# KiCad board heimdall.kicad_pcb (continued)
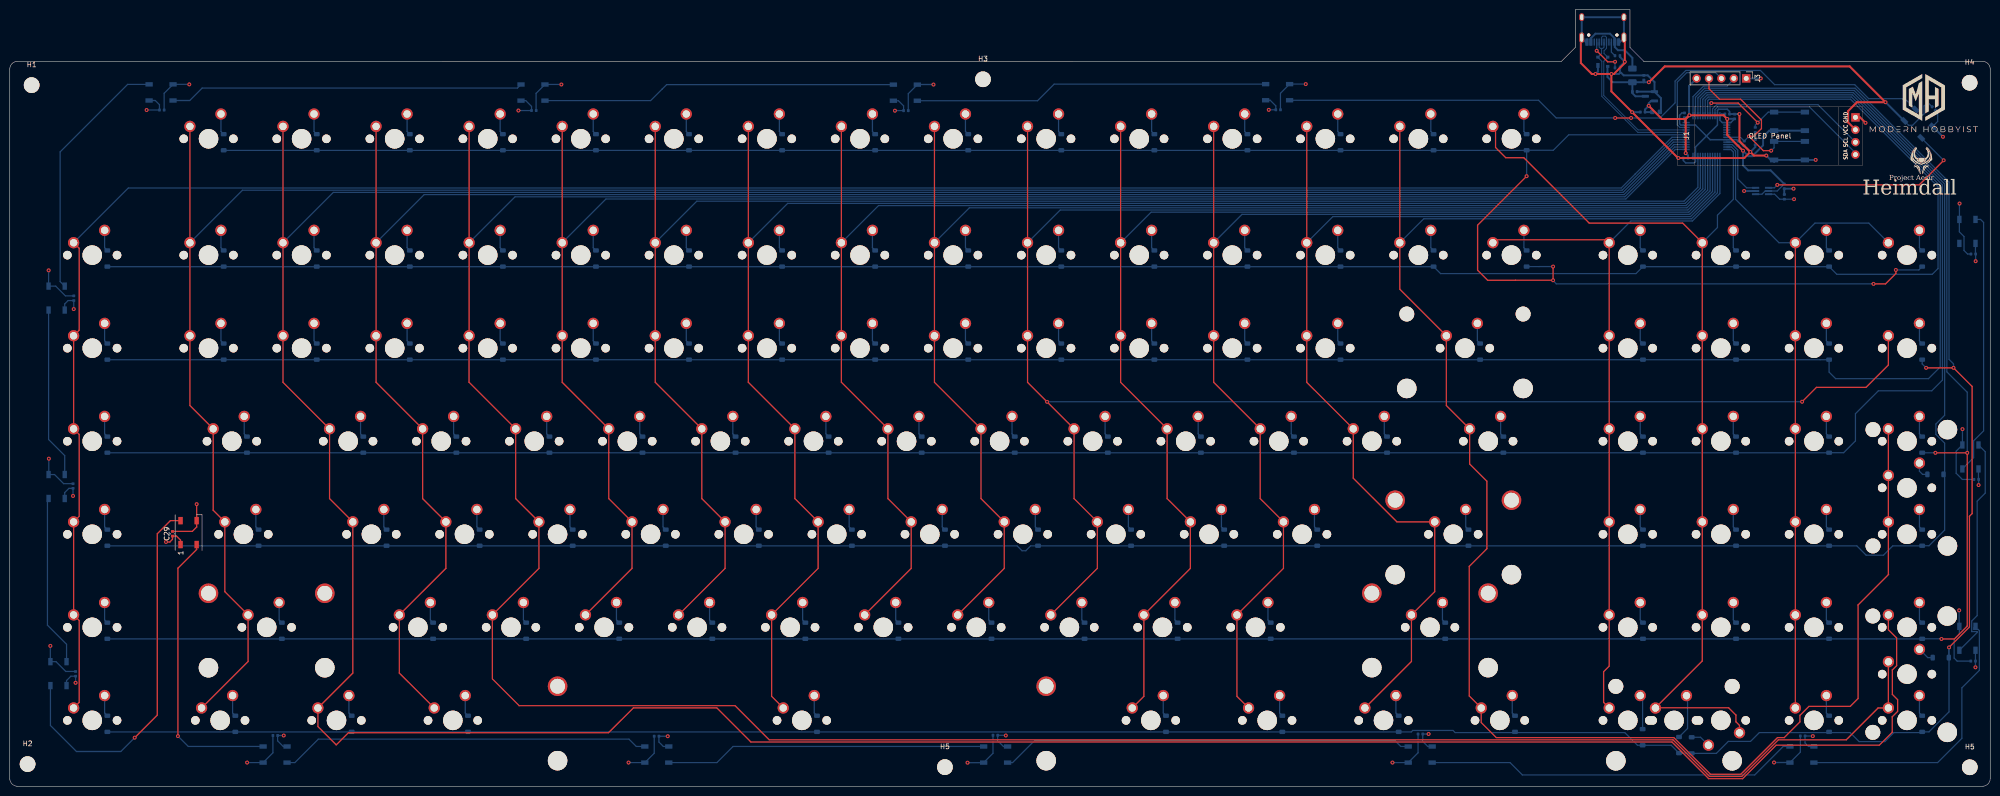
[diagram p0: board, top side]
## Footprints (pads in the part's own frame, mm; a bottom-side part is the same pattern mirrored in y, then rotated) (continued)
  oval 1x1.6 hole 0.6x1.2: S1(-4.32,-1.05) S1(4.32,-1.05)
  oval 1x2.1 hole 0.6x1.7: S1(-4.32,3.13) S1(4.32,3.13)

## Nets
+3V3: BOOT1.1 C2.1 C3.1 C4.1 C5.1 C6.1 C7.1 C10.1 C12.2 J3.5 U1.1 U1.9 U1.24 U1.36 U1.48 U3.2 U4.1 U4.5
+5V: C8.1 C9.1 C11.1 C13.1 C14.1 C15.1 C16.1 C17.1 C18.1 C19.1 C20.1 C21.1 C22.1 C23.1 C24.1 C25.1 C26.1 C27.1 C28.1 C29.1 D120.1 D121.1 D122.1 D123.1 D124.1 D125.1 D126.1 D127.1 D128.1 D129.1 D130.1 D131.1 D132.1 D133.1 D134.1 D135.1 D136.1 F1.2 J1.2 U2.4 U3.3 U4.6
GND: C1.2 C2.2 C3.2 C4.2 C5.2 C6.2 C7.2 C8.2 C9.2 C10.2 C11.2 C12.1 C13.2 C14.2 C15.2 C16.2 C17.2 C18.2 C19.2 C20.2 C21.2 C22.2 C23.2 C24.2 C25.2 C26.2 C27.2 C28.2 C29.2 D120.3 D121.3 D122.3 D123.3 D124.3 D125.3 D126.3 D127.3 D128.3 D129.3 D130.3 D131.3 D132.3 D133.3 D134.3 D135.3 D136.3 J1.1 J2.A1 J2.A12 J2.B1 J2.B12 J2.S1 J3.1 R1.1 R2.2 R4.2 RST1.2 U1.8 U1.23 U1.35 U1.47 U2.1 U3.1 U4.2
VBUS: F1.1 J2.A4 J2.A9 J2.B4 J2.B9
/C13: U1.2
/C14: U1.3
/C15: U1.4
/F0: U1.5
/F1: U1.6
BOOT0: BOOT1.2 R3.1 U1.44
CAPSLOCK: D127.2 D136.4
Col0: MX16.1 MX36.1 MX55.1 MX74.1 MX92.1 MX109.1 U1.30
Col1: MX1.1 MX17.1 MX37.1 MX56.1 MX75.1 MX93.1 MX110.1 U1.29
Col2: MX2.1 MX18.1 MX38.1 MX57.1 MX76.1 MX108.1 MX111.1 U1.28
Col3: MX3.1 MX19.1 MX39.1 MX58.1 MX77.1 MX94.1 MX112.1 U1.27
Col4: MX4.1 MX20.1 MX40.1 MX59.1 MX78.1 MX95.1 MX121.1 MX123.1 U1.26
Col5: MX5.1 MX21.1 MX41.1 MX60.1 MX79.1 MX96.1 U1.25
Col6: MX6.1 MX22.1 MX42.1 MX61.1 MX80.1 MX97.1 U1.22
Col7: MX7.1 MX23.1 MX43.1 MX62.1 MX81.1 MX98.1 MX113.1 U1.21
Col8: MX8.1 MX24.1 MX44.1 MX63.1 MX82.1 MX99.1 U1.20
Col9: MX9.1 MX25.1 MX45.1 MX64.1 MX83.1 MX100.1 U1.19
Col10: MX10.1 MX26.1 MX46.1 MX54.1 MX65.1 MX84.1 MX101.1 U1.18
Col11: MX11.1 MX27.1 MX47.1 MX66.1 MX85.1 MX102.1 MX114.1 U1.17
Col12: MX12.1 MX28.1 MX48.1 MX67.1 MX86.1 MX103.1 MX115.1 U1.16
Col13: MX13.1 MX29.1 MX49.1 MX68.1 MX87.1 MX104.1 MX116.1 U1.15
Col14: MX14.1 MX30.1 MX50.1 MX69.1 MX73.1 MX91.1 MX117.1 MX124.1 U1.14
Col15: MX31.1 MX32.1 MX51.1 MX70.1 MX88.1 MX105.1 MX118.1 U1.13
Col16: MX15.1 MX33.1 MX52.1 MX71.1 MX89.1 MX106.1 MX119.1 MX122.1 U1.12
Col17: MX34.1 MX35.1 MX53.1 MX72.1 MX90.1 MX107.1 MX120.1 U1.11
D+: J2.A6 J2.B6 U1.33 U2.3
D-: J2.A7 J2.B7 U1.32 U2.2
NRST: C1.1 J3.4 RST1.1 U1.7
RGB3.3: U1.10 U4.3
RGB5v: D120.4 U4.4
RGB-data-1: D128.4 D136.2
Row0: D1.1 D2.1 D3.1 D4.1 D5.1 D6.1 D7.1 D8.1 D9.1 D10.1 D11.1 D12.1 D13.1 D14.1 D15.1 D31.1 D35.1 U1.31
Row1: D16.1 D17.1 D18.1 D19.1 D20.1 D21.1 D22.1 D23.1 D24.1 D25.1 D26.1 D27.1 D28.1 D29.1 D30.1 D32.1 D33.1 D34.1 U1.43
Row2: D36.1 D37.1 D38.1 D39.1 D40.1 D41.1 D42.1 D43.1 D44.1 D45.1 D46.1 D47.1 D48.1 D49.1 D50.1 D51.1 D52.1 D53.1 U1.42
Row3: D55.1 D56.1 D57.1 D58.1 D59.1 D60.1 D61.1 D62.1 D63.1 D64.1 D65.1 D66.1 D67.1 D68.1 D69.1 D70.1 D71.1 D72.1 U1.41
Row4: D74.1 D75.1 D76.1 D77.1 D78.1 D79.1 D80.1 D81.1 D82.1 D83.1 D84.1 D85.1 D86.1 D87.1 D88.1 D89.1 D90.1 D91.1 D141.1 U1.40
Row5: D73.1 D92.1 D93.1 D94.1 D95.1 D96.1 D97.1 D98.1 D99.1 D100.1 D101.1 D102.1 D103.1 D104.1 D105.1 D106.1 D107.1 D108.1 U1.39
Row6: D54.1 D109.1 D110.1 D111.1 D112.1 D113.1 D114.1 D115.1 D116.1 D117.1 D118.1 D119.1 D137.1 D138.1 D139.1 D140.1 U1.38
SCL: J1.3 U1.45
SDA: J1.4 U1.46
SWCLK: J3.2 U1.37
SWD: J3.3 U1.34
Net-(D1-A): D1.2 MX1.2
Net-(D2-A): D2.2 MX2.2
Net-(D3-A): D3.2 MX3.2
Net-(D4-A): D4.2 MX4.2
Net-(D5-A): D5.2 MX5.2
Net-(D6-A): D6.2 MX6.2
Net-(D7-A): D7.2 MX7.2
Net-(D8-A): D8.2 MX8.2
Net-(D9-A): D9.2 MX9.2
Net-(D10-A): D10.2 MX10.2
Net-(D11-A): D11.2 MX11.2
Net-(D12-A): D12.2 MX12.2
Net-(D13-A): D13.2 MX13.2
Net-(D14-A): D14.2 MX14.2
Net-(D15-A): D15.2 MX15.2
Net-(D16-A): D16.2 MX16.2
Net-(D17-A): D17.2 MX17.2
Net-(D18-A): D18.2 MX18.2
Net-(D19-A): D19.2 MX19.2
Net-(D20-A): D20.2 MX20.2
Net-(D21-A): D21.2 MX21.2
Net-(D22-A): D22.2 MX22.2
Net-(D23-A): D23.2 MX23.2
Net-(D24-A): D24.2 MX24.2
Net-(D25-A): D25.2 MX25.2
Net-(D26-A): D26.2 MX26.2
Net-(D27-A): D27.2 MX27.2
Net-(D28-A): D28.2 MX28.2
Net-(D29-A): D29.2 MX29.2
Net-(D30-A): D30.2 MX30.2
Net-(D31-A): D31.2 MX31.2
Net-(D32-A): D32.2 MX32.2
Net-(D33-A): D33.2 MX33.2
Net-(D34-A): D34.2 MX34.2
Net-(D35-A): D35.2 MX35.2
Net-(D36-A): D36.2 MX36.2
Net-(D37-A): D37.2 MX37.2
Net-(D38-A): D38.2 MX38.2
Net-(D39-A): D39.2 MX39.2
Net-(D40-A): D40.2 MX40.2
Net-(D41-A): D41.2 MX41.2
Net-(D42-A): D42.2 MX42.2
Net-(D43-A): D43.2 MX43.2
Net-(D44-A): D44.2 MX44.2
Net-(D45-A): D45.2 MX45.2
Net-(D46-A): D46.2 MX46.2
Net-(D47-A): D47.2 MX47.2
Net-(D48-A): D48.2 MX48.2
Net-(D49-A): D49.2 MX49.2
Net-(D50-A): D50.2 MX50.2
Net-(D51-A): D51.2 MX51.2
Net-(D52-A): D52.2 MX52.2
Net-(D53-A): D53.2 MX53.2
Net-(D54-A): D54.2 MX54.2
Net-(D55-A): D55.2 MX55.2
Net-(D56-A): D56.2 MX56.2
Net-(D57-A): D57.2 MX57.2
Net-(D58-A): D58.2 MX58.2
Net-(D59-A): D59.2 MX59.2
Net-(D60-A): D60.2 MX60.2
Net-(D61-A): D61.2 MX61.2
Net-(D62-A): D62.2 MX62.2
Net-(D63-A): D63.2 MX63.2
Net-(D64-A): D64.2 MX64.2
Net-(D65-A): D65.2 MX65.2
Net-(D66-A): D66.2 MX66.2
Net-(D67-A): D67.2 MX67.2
Net-(D68-A): D68.2 MX68.2
Net-(D69-A): D69.2 MX69.2
Net-(D70-A): D70.2 MX70.2
Net-(D71-A): D71.2 MX71.2
Net-(D72-A): D72.2 MX72.2
Net-(D73-A): D73.2 MX73.2
Net-(D74-A): D74.2 MX74.2
Net-(D75-A): D75.2 MX75.2
Net-(D76-A): D76.2 MX76.2
Net-(D77-A): D77.2 MX77.2
Net-(D78-A): D78.2 MX78.2
Net-(D79-A): D79.2 MX79.2
Net-(D80-A): D80.2 MX80.2
Net-(D81-A): D81.2 MX81.2
Net-(D82-A): D82.2 MX82.2
Net-(D83-A): D83.2 MX83.2
Net-(D84-A): D84.2 MX84.2
Net-(D85-A): D85.2 MX85.2
Net-(D86-A): D86.2 MX86.2
Net-(D87-A): D87.2 MX87.2
Net-(D88-A): D88.2 MX88.2
Net-(D89-A): D89.2 MX89.2
Net-(D90-A): D90.2 MX90.2
Net-(D91-A): D91.2 MX91.2
Net-(D92-A): D92.2 MX92.2
Net-(D93-A): D93.2 MX93.2
Net-(D94-A): D94.2 MX94.2
Net-(D95-A): D95.2 MX95.2
Net-(D96-A): D96.2 MX96.2
Net-(D97-A): D97.2 MX97.2
Net-(D98-A): D98.2 MX98.2
Net-(D99-A): D99.2 MX99.2
Net-(D100-A): D100.2 MX100.2
Net-(D101-A): D101.2 MX101.2
Net-(D102-A): D102.2 MX102.2
Net-(D103-A): D103.2 MX103.2
Net-(D104-A): D104.2 MX104.2
Net-(D105-A): D105.2 MX105.2
Net-(D106-A): D106.2 MX106.2
Net-(D107-A): D107.2 MX107.2
Net-(D108-A): D108.2 MX108.2
Net-(D109-A): D109.2 MX109.2
Net-(D110-A): D110.2 MX110.2
Net-(D111-A): D111.2 MX111.2
Net-(D112-A): D112.2 MX112.2
Net-(D113-A): D113.2 MX113.2
Net-(D114-A): D114.2 MX114.2
Net-(D115-A): D115.2 MX115.2
Net-(D116-A): D116.2 MX116.2
Net-(D117-A): D117.2 MX117.2
Net-(D118-A): D118.2 MX118.2
Net-(D119-A): D119.2 MX119.2
Net-(D120-DOUT): D120.2 D121.4
Net-(D121-DOUT): D121.2 D122.4
Net-(D122-DOUT): D122.2 D123.4
Net-(D123-DOUT): D123.2 D124.4
Net-(D124-DOUT): D124.2 D125.4
Net-(D125-DOUT): D125.2 D126.4
Net-(D126-DOUT): D126.2 D127.4
Net-(D128-DOUT): D128.2 D129.4
Net-(D129-DOUT): D129.2 D130.4
Net-(D130-DOUT): D130.2 D131.4
Net-(D131-DOUT): D131.2 D132.4
Net-(D132-DOUT): D132.2 D133.4
Net-(D133-DOUT): D133.2 D134.4
Net-(D134-DOUT): D134.2 D135.4
Net-(D137-A): D137.2 MX120.2
Net-(D138-A): D138.2 MX121.2
Net-(D139-A): D139.2 MX122.2
Net-(D140-A): D140.2 MX123.2
Net-(D141-A): D141.2 MX124.2
Net-(J2-CC1): J2.A5 R1.2
Net-(J2-CC2): J2.B5 R2.1
Net-(R3-Pad2): R3.2 R4.1

Pads without a net: D135 2; J2 A8 B8

## Via types
v1: diameter 0.8, hole 0.4, Top to Bottom, 79 vias

## Routing (per net, layer and track width the routed paths; a pad name or vN(x,y) marks a point on that pad's centre or on a via; arc(x,y) is an arc through that point)
+3V3: length 100
  Top w0.4: v1(343.79,137.36) 350.79,137.36 v1(351.54,136.61) 351.54,133.34 v1(354.78,130.1) ; v1(343.79,137.36) 343.04,136.61 v1(343.04,129.61) ; v1(343.79,137.36) 343.03,136.6 338.18,136.6 v1(335.48,139.3)
  Bottom w0.25: C4.1 344.21,128.61 344.49,128.9 ; C12.2 363.21,123.29 361.77,121.86 U4.5 359.31,121.86 358.66,121.21 U4.1
  Bottom w0.3: U1.36 342.79,136.2 C3.1 ; C6.1 352.27,135.86 U1.1 350.54,135.86 350.04,136.36 U1.48 350.38,137.61 C5.1 ; U1.9 352.79,131.86 353.54,131.12 C7.1
  Bottom w0.4: C6.1 351.56,136.63 v1(351.54,136.61) 351.06,137.09 C5.1 ; 353.78,131.1 v1(354.78,130.1) ; v1(354.78,130.1) 355.89,128.99 356.67,128.99 358.89,131.21 358.89,132.96 360.14,134.21 BOOT1.1 BOOT1.1 ; v1(354.78,130.1) 354.78,127.13 355.82,126.09 360.42,126.09 C12.2 ; C2.1 336.17,138.02 C10.1 334.72,138.55 v1(335.48,139.3) 335.48,139.83 335.94,140.3 U3.2 ; C4.1 343.52,129.13 v1(343.04,129.61) ; C3.1 343.31,136.88 v1(343.79,137.36) 343.73,137.42 343.73,143.37 J3.5
+5V: length 180.9
  Top w0.25: v1(31.98,50) 32.77,50 33.3,50.54 C29.1 34.13,51.21 34.95,50.39 D136.1
  Top w0.4: J1.2 376.29,135.9 376.29,138.23 378.1,140.04 v1(383.94,140.04) 376.61,147.37 338.75,147.37 335.51,144.13 v1(335.5,144.13)
  Bottom w0.25: D124.1 29.77,140.39 30.64,139.52 C17.1 28.02,138.44 v1(28.02,138.43) ; D127.1 11.62,21.64 12.51,22.53 C20.1 13.47,21.18 v1(13.47,21.17) ; D129.1 133.78,8.14 132.87,9.05 C22.1 134.67,10.24 v1(134.68,10.23) ; C13.1 392.8,139.79 392.37,139.79 391.84,139.26 391.84,137.67 389.49,135.32 388.68,135.32 D120.1 ; v1(104.12,138.33) 104.12,138.34 C16.1 106.79,139.19 105.62,140.36 D123.1 ; D125.1 11.24,98.74 11.93,99.43 C18.1 13.09,97.69 v1(13.1,97.68) ; D128.1 55.98,8.14 54.82,9.3 C21.1 56.07,10.39 v1(56.08,10.38) ; v1(203.88,10.39) 203.83,10.44 C23.1 202.21,9.32 203.39,8.14 D130.1 ; v1(369.07,10.26) 369.04,10.29 C25.1 367.47,8.86 368.19,8.14 D132.1 ; v1(402.36,24.34) 402.36,24.35 C26.1 D133.1 ; D126.1 11.24,60.12 12.1,60.98 C19.1 12.94,59.43 v1(12.95,59.42) ; v1(257.71,138.47) 257.72,138.49 C14.1 259.14,139.29 257.99,140.44 D121.1 ; D131.1 290.26,8.14 289.22,9.18 C24.1 290.42,10.69 v1(290.43,10.69) ; D134.1 402.98,62.83 C27.1 403.01,61.66 v1(403,61.65) ; D135.1 402.36,108.99 C28.1 402.39,107.49 v1(402.4,107.48) ; D122.1 181.9,140.34 182.95,139.29 C15.1 181.2,138.32 v1(181.19,138.3) ; U4.6 361.25,121.21 362.27,120.18 C11.1 365.22,120.18 v1(365.23,120.18)
  Bottom w0.4: 332.13,142.27 332.12,142.26 ; v1(383.94,140.04) 383.96,140.04 D120.1 ; F1.2 328.11,144.13 327.03,145.21 327.03,146.15 327.03,146.15 327.03,147.32 U2.4 ; F1.2 332.13,142.22 C9.1 332.12,141.9 332.77,141.25 U3.3 ; F1.2 334.47,144.13 ; C8.1 334.48,144.13 334.47,144.13 ; 334.47,144.13 v1(335.5,144.13)
GND: length 353.7
  Top w0.25: D136.3 v1(38.25,57.75) ; 38.25,54.03 38.25,53.06 37.36,52.17 C29.2
  Top w0.4: v1(356.28,129.85) 357.02,129.11 v1(359.54,129.11) ; v1(356.28,129.85) 354.04,132.09 v1(354.04,137.61) ; v1(356.28,129.85) 355.04,128.61 v1(341.54,128.61) ; J1.1 378.73,136.94 v1(379.85,135.82) ; v1(327.83,145.81) 327.83,142.26 332.08,138.01 v1(332.08,138) 341.48,128.6 ; v1(327.83,145.81) 328.33,145.81 330.58,148.06 v1(330.58,148.31) 330.58,153 ; v1(327.83,145.81) v1(324.58,145.81) 323.83,145.81 321.58,148.06 321.58,153
  Bottom w0.25: D123.3 107.73,141.85 107.73,138.36 C16.2 ; 364.41,4.86 361.13,4.86 v1(361.13,4.86) ; C23.2 201.25,6.75 D130.3 ; C26.2 398.61,25.62 397.99,26.24 397.99,30.01 399.06,31.08 D133.3 ; 262,143.75 265.27,143.75 v1(265.28,143.74) ; 129.94,4.84 126.66,4.84 v1(126.66,4.84) ; 199.33,4.82 196.05,4.82 v1(196.05,4.82) ; D135.3 399.06,113.5 400.01,112.55 400.01,109.69 400.74,108.96 C28.2 ; C21.2 53.86,6.84 D128.3 48.58,4.84 v1(48.58,4.84) ; D129.3 131.91,6.76 C22.2 ; v1(36.75,143.68) 36.74,143.69 33.47,143.69 ; D122.3 183.91,141.78 C15.2 ; C13.2 394.62,137.97 394.62,136.1 D120.3 ; D132.3 366.51,6.97 C25.2 ; D126.3 9.16,63.81 11.03,61.94 C19.2 ; v1(8.31,28.73) 8.3,28.73 8.3,25.45 ; 7.95,102.33 7.95,105.61 v1(7.96,105.61) ; 399.69,69.82 399.69,73.09 v1(399.7,73.1) ; v1(399.1,119.29) 399.09,119.29 399.09,116.01 ; D125.3 9.39,102.39 11.39,100.39 C18.2 ; 286.3,4.84 283.02,4.84 v1(283.02,4.84) ; v1(8,67.05) 7.99,67.05 7.99,63.77 ; D131.3 288.26,6.85 C24.2 ; C20.2 11.48,23.49 9.47,25.51 D127.3 ; C27.2 399.68,62.8 398.41,64.07 398.41,68.59 D134.3 ; 399.02,32.73 399.02,36.01 v1(399.03,36.01) ; C14.2 260.1,141.88 D121.3 ; 31.6,138.43 31.6,141.87 D124.3 ; 185.8,143.66 189.07,143.66 v1(189.08,143.65) ; v1(112.91,143.66) 112.9,143.67 109.63,143.67
  Bottom w0.3: C3.2 342.27,137.84 341.79,137.36 341.79,135.61 342.04,135.36 U1.35 345.04,135.36 347.29,133.11 ; 347.29,133.11 348.04,132.36 U1.8 353.5,132.36 C7.2 ; 347.29,133.11 349.54,135.36 U1.47 349.54,138.36 349.79,138.61 351.54,138.61 352.02,138.13 C5.2 ; 347.29,133.11 345.04,130.86 U1.23 345.04,127.86 344.79,127.61 343.04,127.61 342.56,128.09 C4.2
  Bottom w0.4: 330.4,157.36 330.4,153.18 329.49,152.27 329.33,152.27 ; C7.2 353.9,132.08 354.86,131.12 C1.2 ; C6.2 v1(354.04,137.61) ; 321.76,157.36 321.76,153.18 322.68,152.27 322.83,152.27 ; J3.1 v1(358.41,144.91) ; C11.2 363.22,121.17 C12.1 365.12,122.33 v1(365.12,122.34) ; v1(332.08,138) 333.75,138 C10.2 ; v1(395.71,132.95) D120.3 ; v1(359.54,129.11) 360.44,128.21 RST1.2 ; C5.2 353.02,137.61 ; v1(324.58,145.81) 325.08,146.31 U2.1 ; C4.2 v1(341.54,128.61) ; RST1.2 RST1.2 369.63,128.21 v1(369.64,128.23) ; RST1.2 361.14,127.79 ; 330.42,157.44 321.78,157.44 ; 329.59,146.05 329.83,146.05 330.35,145.53 C8.2 335.29,145.53 336.66,144.16 U3.1 ; 329.59,146.05 R1.1 329.59,147.32 v1(330.58,148.31) 329.59,149.3 R2.2 ; 329.59,146.05 329.35,145.81 v1(327.83,145.81) ; 355.03,131.1 v1(356.28,129.85) 357.29,130.86 R4.2 ; U3.1 337.98,140.88 337.98,138.28 ; U3.1 333.09,142.2 333.08,142.19 ; v1(354.99,121.86) U4.2
VBUS: length 15.1
  Bottom w0.4: J2.A9 328.53,151.33 329.18,150.68 330.57,150.68 332.13,149.12 F1.1 ; 328.53,152.27 328.53,153.1 327.57,154.06 324.57,154.06 323.63,153.12 323.63,152.27
BOOT0: length 25.6
  Top w0.25: v1(357.79,135.86) 353.79,139.86 v1(348.29,139.86)
  Bottom w0.25: U1.44 348.04,139.61 v1(348.29,139.86) ; BOOT1.2 BOOT1.2 359.94,138.01 v1(357.79,135.86) 357.29,135.36 R3.1
CAPSLOCK: length 78.3
  Top w0.25: v1(25.57,9.94) 25.58,9.94 30.19,14.56 30.19,51.69 32.88,54.38 D136.4
  Bottom w0.25: D127.2 8.32,12.43 13.64,7.11 22.74,7.11 v1(25.57,9.94)
Col0: length 437.1
  Top w0.25: MX16.1 14.21,110.12 14.21,93.37 MX36.1 MX55.1 14.21,72.02 14.21,55.27 MX74.1 MX92.1 14.21,33.92 14.21,17.17 MX109.1
  Bottom w0.25: MX16.1 24.27,122.47 329.85,122.47 332.72,125.35 340.24,132.86 U1.30
Col1: length 442.9
  Top w0.25: MX110.1 48.78,25.55 MX93.1 44.02,39.83 MX75.1 41.64,56.5 MX56.1 36.88,77.93 MX37.1 MX1.1
  Bottom w0.25: MX17.1 47.63,122.02 330.04,122.02 340.38,132.36 U1.29
Col2: length 790.3
  Top w0.25: MX2.1 MX18.1 MX38.1 55.93,82.7 MX57.1 65.45,58.88 MX76.1 70.21,23.17 MX111.1 63.07,12.22 66.82,8.47 69.32,10.96 122.57,10.96 127.65,16.05 144.71,16.05 151.7,9.06 340.24,9.06 347.75,1.55 354.7,1.55 361.55,8.4 382.67,8.4 385.32,11.05 385.32,14.22 386.42,15.32 386.42,17.73 385.35,18.8 385.35,23.81 386.22,24.68 386.22,30.36 384.54,32.03 MX108.1
  Bottom w0.25: MX18.1 66.23,121.57 330.23,121.57 340.51,131.86 U1.28
Col3: length 408.4
  Top w0.25: MX3.1 MX19.1 MX39.1 74.98,82.7 MX58.1 84.5,58.88 MX77.1 89.26,44.6 MX94.1 79.74,23.17 MX112.1
  Bottom w0.25: U1.27 340.65,131.36 330.41,121.12 84.83,121.12 MX19.1
Col4: length 689.5
  Top w0.25: MX4.1 MX20.1 MX40.1 94.01,92.2 94.01,82.72 MX59.1 103.55,58.88 MX78.1 108.31,44.6 MX95.1 98.79,21.97 104.26,16.5 148.46,16.5 155.45,9.51 340.43,9.51 347.94,2 354.51,2 362.02,9.51 375.92,9.51 382.43,16.02 MX121.1 384.54,25.48 MX123.1
  Bottom w0.25: U1.26 340.79,130.86 330.6,120.67 103.43,120.67 MX20.1
Col5: length 347.8
  Top w0.25: MX5.1 MX21.1 MX41.1 113.08,82.7 MX60.1 122.6,58.88 MX79.1 127.36,44.6 MX96.1
  Bottom w0.25: U1.25 340.92,130.36 330.78,120.22 122.03,120.22 MX21.1
Col6: length 334.3
  Top w0.25: MX97.1 146.41,44.6 MX80.1 141.65,58.88 MX61.1 132.13,82.7 MX42.1 MX22.1 MX6.1
  Bottom w0.25: MX22.1 140.63,119.77 342.7,119.77 345.54,122.62 U1.22
Col7: length 335.9
  Top w0.25: MX113.1 155.94,18.4 MX98.1 165.46,44.6 MX81.1 160.7,58.88 MX62.1 151.18,82.7 MX43.1 MX23.1 MX7.1
  Bottom w0.25: MX23.1 159.23,119.32 342.93,119.32 346.04,122.44 U1.21
Col8: length 297.4
  Top w0.25: MX99.1 184.51,44.6 MX82.1 179.75,58.88 MX63.1 170.23,82.7 MX44.1 MX24.1 MX8.1
  Bottom w0.25: U1.20 346.54,122.31 343.11,118.87 177.83,118.87 MX24.1
Col9: length 278.9
  Top w0.25: MX9.1 MX45.1 189.28,82.7 MX64.1 198.8,58.88 MX83.1 203.56,44.6 MX100.1
  Bottom w0.25: U1.19 347.04,122.17 343.3,118.42 196.43,118.42 MX25.1
Col10: length 441.8
  Top w0.25: MX10.1 MX26.1 MX46.1 208.33,82.7 v1(212.33,78.7) MX65.1 217.85,58.88 MX84.1 222.61,44.6 MX101.1 ; v1(366.87,78.72) 369.81,81.66 379.95,81.66 384.54,86.24 MX54.1
  Bottom w0.25: U1.18 347.54,122.03 343.49,117.97 215.03,117.97 MX26.1 ; v1(366.87,78.72) 212.34,78.72 v1(212.33,78.7)
Col11: length 262
  Top w0.25: MX11.1 MX27.1 MX47.1 227.38,82.7 MX66.1 236.9,58.88 MX85.1 241.66,44.6 MX102.1 232.14,18.4 MX114.1
  Bottom w0.25: MX27.1 233.63,117.52 343.67,117.52 348.04,121.9 U1.17
Col12: length 243.6
  Top w0.25: MX12.1 MX28.1 MX48.1 246.43,82.7 MX67.1 255.95,58.88 MX86.1 260.71,44.6 MX103.1 251.19,18.4 MX115.1
  Bottom w0.25: U1.16 348.54,121.76 343.86,117.07 252.23,117.07 MX28.1
Col13: length 235.5
  Top w0.25: MX116.1 286.91,25.55 MX104.1 291.67,39.83 MX87.1 283.94,54.12 275,63.06 MX68.1 265.48,82.7 MX49.1 MX29.1 MX13.1
  Bottom w0.25: MX29.1 270.83,116.62 344.04,116.62 349.04,121.62 U1.15
Col14: length 355.2
  Top w0.25: MX14.1 MX30.1 284.53,101.75 MX50.1 294.05,77.93 MX69.1 298.81,65.98 302.35,62.45 302.35,48.62 298.74,45.02 298.74,18.47 MX117.1 301.2,13.04 304.27,9.96 340.61,9.96 348.12,2.45 354.33,2.45 361.83,9.96 363.21,9.96 366.42,13.17 366.42,14.5 368.27,16.35 376.72,16.35 378.33,17.96 378.33,37.11 384.56,43.35 384.54,43.37 MX91.1 MX73.1
  Bottom w0.25: U1.14 349.54,121.49 344.23,116.17 289.43,116.17 MX30.1
Col15: length 155
  Top w0.25: MX118.1 326.24,17.17 326.24,23.44 327.39,24.59 MX51.1 MX32.1 326.78,111.88 304.19,111.88 MX31.1
  Bottom w0.25: U1.13 350.04,121.35 344.42,115.72 331.84,115.72 MX32.1
Col16: length 197.9
  Top w0.25: MX15.1 304.12,134.54 304.12,130.77 306.21,128.68 309.9,128.68 323.29,115.29 342.42,115.29 MX33.1 MX52.1 MX71.1 MX89.1 MX106.1 346.44,25.65 336.86,16.07 351.83,16.07 353.33,14.57 353.33,13.19 354.06,12.46 MX119.1
  Bottom w0.25: U1.12 352.28,130.36 352.8,129.84 352.8,120.16 349.54,116.91 349.54,114.38 MX33.1
Col17: length 146.2
  Top w0.25: MX120.1 MX107.1 MX90.1 MX72.1 MX53.1 MX34.1 365.94,111.72
  Bottom w0.25: U1.11 352.43,130.86 353.25,130.04 353.25,120.16 362.14,111.27 MX34.1 369.5,115.29 380.52,115.29 MX35.1
D+: length 34.7
  Bottom w0.2: U1.33 333.31,134.36 331.15,136.52 331.15,136.53 326.27,141.41 326.27,148.41 327.08,149.21 ; 325.83,152.27 325.83,153.31 326.08,153.56 326.58,153.56 326.83,153.31 326.83,151.06 326.33,150.56 326.33,150.01 U2.3
D-: length 33.8
  Bottom w0.2: 325.83,151.06 325.83,150.01 U2.2 ; 325.83,151.06 325.58,151.06 325.33,151.31 325.33,152.27 ; 325.83,151.06 326.08,151.06 326.33,151.31 326.33,152.27 ; U1.32 333.24,133.86 330.75,136.35 330.75,136.36 325.87,141.24 325.87,148.42 325.08,149.21
NRST: length 40
  Top w0.25: J3.4 347.81,142.79 349.94,140.66 354.28,140.66 358.55,136.39 358.55,134.64 356.98,133.06 v1(355.99,133.06) 358.94,130.11 v1(360.54,130.11)
  Bottom w0.25: RST1.1 RST1.1 361.14,130.71 v1(360.54,130.11) ; U1.7 354.25,132.86 C1.1 355.99,133.04 v1(355.99,133.06)
RGB3.3: length 13
  Bottom w0.25: U1.10 352.57,131.36 353.7,130.23 353.7,124.33 355.52,122.51 U4.3
RGB5v: length 44.7
  Top w0.25: v1(395.85,128.15) 395.85,128.12 390.84,123.11 v1(361.79,123.11)
  Bottom w0.25: U4.4 361.19,122.51 v1(361.79,123.11) ; v1(395.85,128.15) D120.4
RGB-data-1: length 59.1
  Top w0.25: v1(34.42,10.26) 34.42,44.64 38.25,48.48 D136.2
  Bottom w0.25: v1(34.42,10.26) 36.54,8.14 D128.4
Row0: length 431.8
  Top w0.25: v1(381.49,102.85) 383.94,102.85 386.06,104.97 v1(386.06,105.7) ; v1(315.9,106.39) v1(315.9,103.59) 308.18,103.59 308.17,103.58 302.51,103.58 300.45,105.65 300.45,114.85 v1(310.49,124.89)
  Bottom w0.25: U1.31 319.11,133.36 315.94,130.19 D15.1 ; v1(381.49,102.85) 316.56,102.85 315.85,103.56 315.87,103.56 v1(315.9,103.59) ; D31.1 313.02,106.38 313.02,106.39 v1(315.9,106.39) ; v1(386.06,105.7) 390.76,105.7 D35.1 391.43,106.36 ; D15.1 310.47,130.18 43.81,130.18 D1.1 ; D15.1 v1(310.49,124.89)
Row1: length 451.6
  Bottom w0.25: U1.43 347.54,140.36 347.83,140.65 376.8,140.65 394.7,122.75 394.7,105.99 393.51,104.81 373.97,104.81 D34.1 372.38,106.36 334.32,106.36 D32.1 332.87,104.95 292.87,104.95 D30.1 291.42,106.36 19.99,106.36 D16.1
Row2: length 475.5
  Bottom w0.25: D36.1 19.99,87.31 372.38,87.31 D53.1 372.4,84.78 373.74,83.44 392.74,83.44 395.15,85.84 395.15,122.94 376.99,141.1 347.65,141.1 347.04,140.49 U1.42
Row3: length 485.5
  Bottom w0.25: D55.1 19.99,68.26 372.38,68.26 D72.1 375.38,68.28 377.8,70.7 377.8,76.27 382.49,80.96 393.42,80.96 395.6,83.14 395.6,123.12 377.17,141.55 347.46,141.55 346.54,140.63 U1.41
Row4: length 513.9
  Bottom w0.25: U1.40 346.04,140.77 347.28,142 377.36,142 396.05,123.31 396.05,75.94 394.26,74.15 394.26,72.03 396.05,70.24 396.05,52.43 392.85,49.23 D91.1 391.43,49.21 385.44,49.21 383.52,47.3 379.99,47.3 378.07,49.21 208.97,49.21 207.96,48.21 207.2,48.21 206.19,49.21 19.99,49.21 D74.1
Row5: length 546.6
  Top w0.25: v1(394.16,68.26) v1(400.68,68.26) 400.68,32.79 398.04,30.15 v1(395.4,30.15)
  Bottom w0.25: 391.43,68.26 D73.1 391.47,68.26 v1(394.16,68.26) ; U1.39 345.54,140.9 347.09,142.45 377.54,142.45 396.5,123.49 396.5,84.84 400.68,80.66 v1(400.68,68.26) ; v1(395.4,30.15) 395.37,30.18 D108.1 391.43,30.16 19.99,30.16 D92.1
Row6: length 570.6
  Top w0.25: v1(396.95,28.42) 401.13,32.6 401.13,55.27 401.68,55.82 401.68,81.84 v1(397.86,85.66) v1(392.25,85.66)
  Bottom w0.25: v1(397.86,85.66) 397.86,86.47 396.95,87.38 396.95,123.68 377.73,142.9 346.9,142.9 345.04,141.04 U1.38 ; v1(392.25,85.66) 391.45,86.46 D54.1 391.43,87.31 ; D109.1 19.99,11.11 286.87,11.11 287.17,11.42 295.41,11.42 295.85,10.98 330.58,10.98 333.17,8.39 D118.1 340.07,8.39 D139.1 344.22,6.78 D119.1 349.32,6.73 351.77,9.18 356.31,9.18 358.12,10.98 376.69,10.98 378.54,9.13 383.81,9.13 385.66,10.98 391.3,10.98 D138.1 392.85,11.13 396.95,15.23 v1(396.95,28.42) 396.91,28.38 D140.1
SCL: length 34.2
  Bottom w0.25: J1.3 370.11,139.54 349.39,139.54 348.54,138.69 U1.45
SDA: length 34.5
  Bottom w0.25: U1.46 349.04,138.53 349.6,139.09 368.37,139.09 377.79,129.66 J1.4
SWCLK: length 13.7
  Bottom w0.25: U1.37 344.54,141.18 346.72,143.35 351.52,143.35 352.89,144.72
SWD: length 21.1
  Bottom w0.25: U1.34 341.87,134.86 341.32,135.42 341.32,139.46 341.32,139.47 341.32,144.16 343.25,146.08 349.18,146.08 J3.3
Net-(D1-A): length 4.4
  Bottom w0.25: D1.2 43.23,134.05 MX1.2
Net-(D2-A): length 4.4
  Bottom w0.25: D2.2 62.28,134.05 MX2.2
Net-(D3-A): length 4.4
  Bottom w0.25: MX3.2 81.33,134.05 D3.2
Net-(D4-A): length 4.4
  Bottom w0.25: D4.2 100.38,134.05 MX4.2
Net-(D5-A): length 4.4
  Bottom w0.25: MX5.2 119.43,134.05 D5.2
Net-(D6-A): length 4.4
  Bottom w0.25: D6.2 138.48,134.05 MX6.2
Net-(D7-A): length 4.4
  Bottom w0.25: MX7.2 157.53,134.05 D7.2
Net-(D8-A): length 4.4
  Bottom w0.25: MX8.2 176.58,134.05 D8.2
Net-(D9-A): length 4.4
  Bottom w0.25: D9.2 195.63,134.05 MX9.2
Net-(D10-A): length 4.4
  Bottom w0.25: D10.2 214.68,134.05 MX10.2
Net-(D11-A): length 4.4
  Bottom w0.25: MX11.2 233.73,134.05 D11.2
Net-(D12-A): length 4.4
  Bottom w0.25: D12.2 252.78,134.05 MX12.2
Net-(D13-A): length 4.4
  Bottom w0.25: D13.2 271.83,134.05 MX13.2
Net-(D14-A): length 4.4
  Bottom w0.25: D14.2 290.88,134.05 MX14.2
Net-(D15-A): length 4.4
  Bottom w0.25: MX15.2 309.93,134.05 D15.2
Net-(D16-A): length 4.4
  Bottom w0.25: MX16.2 19.41,110.24 D16.2
Net-(D17-A): length 4.4
  Bottom w0.25: MX17.2 43.23,110.24 D17.2
Net-(D18-A): length 4.4
  Bottom w0.25: D18.2 62.28,110.24 MX18.2
Net-(D19-A): length 4.4
  Bottom w0.25: MX19.2 81.33,110.24 D19.2
Net-(D20-A): length 4.4
  Bottom w0.25: MX20.2 100.38,110.24 D20.2
Net-(D21-A): length 4.4
  Bottom w0.25: D21.2 119.43,110.24 MX21.2
Net-(D22-A): length 4.4
  Bottom w0.25: MX22.2 138.48,110.24 D22.2
Net-(D23-A): length 4.4
  Bottom w0.25: MX23.2 157.53,110.24 D23.2
Net-(D24-A): length 4.4
  Bottom w0.25: D24.2 176.58,110.24 MX24.2
Net-(D25-A): length 4.4
  Bottom w0.25: D25.2 195.63,110.24 MX25.2
Net-(D26-A): length 4.4
  Bottom w0.25: MX26.2 214.68,110.24 D26.2
Net-(D27-A): length 4.4
  Bottom w0.25: D27.2 233.73,110.24 MX27.2
Net-(D28-A): length 4.4
  Bottom w0.25: D28.2 252.78,110.24 MX28.2
Net-(D29-A): length 4.4
  Bottom w0.25: 271.86,113.81 MX29.2 271.83,110.24 D29.2
Net-(D30-A): length 4.4
  Bottom w0.25: MX30.2 290.88,110.24 D30.2
Net-(D31-A): length 4.4
  Bottom w0.25: D31.2 309.93,110.24 MX31.2
Net-(D32-A): length 4.4
  Bottom w0.25: MX32.2 333.74,110.24 D32.2
Net-(D33-A): length 4.4
  Bottom w0.25: MX33.2 352.79,110.24 D33.2
Net-(D34-A): length 4.4
  Bottom w0.25: D34.2 371.84,110.24 MX34.2
Net-(D35-A): length 4.4
  Bottom w0.25: D35.2 390.89,110.24 MX35.2
Net-(D36-A): length 4.4
  Bottom w0.25: D36.2 19.41,91.19 MX36.2
Net-(D37-A): length 4.4
  Bottom w0.25: D37.2 43.23,91.19 MX37.2
Net-(D38-A): length 4.4
  Bottom w0.25: D38.2 62.28,91.19 MX38.2
Net-(D39-A): length 4.4
  Bottom w0.25: MX39.2 81.33,91.19 D39.2
Net-(D40-A): length 4.4
  Bottom w0.25: D40.2 100.38,91.19 MX40.2
Net-(D41-A): length 4.4
  Bottom w0.25: MX41.2 119.43,91.19 D41.2
Net-(D42-A): length 4.4
  Bottom w0.25: MX42.2 138.48,91.19 D42.2
Net-(D43-A): length 4.4
  Bottom w0.25: D43.2 157.53,91.19 MX43.2
Net-(D44-A): length 4.4
  Bottom w0.25: D44.2 176.58,91.19 MX44.2
Net-(D45-A): length 4.4
  Bottom w0.25: MX45.2 195.63,91.19 D45.2
Net-(D46-A): length 4.4
  Bottom w0.25: MX46.2 214.68,91.19 D46.2
Net-(D47-A): length 4.4
  Bottom w0.25: MX47.2 233.73,91.19 D47.2
Net-(D48-A): length 4.4
  Bottom w0.25: D48.2 252.78,91.19 MX48.2
Net-(D49-A): length 4.4
  Bottom w0.25: MX49.2 271.83,91.19 D49.2
Net-(D50-A): length 4.4
  Bottom w0.25: MX50.2 300.4,91.19 D50.2
Net-(D51-A): length 4.4
  Bottom w0.25: MX51.2 333.74,91.19 D51.2
Net-(D52-A): length 4.4
  Bottom w0.25: MX52.2 352.79,91.19 D52.2
Net-(D53-A): length 4.4
  Bottom w0.25: MX53.2 371.84,91.19 D53.2
Net-(D54-A): length 4.4
  Bottom w0.25: MX54.2 390.89,91.19 D54.2
Net-(D55-A): length 4.4
  Bottom w0.25: D55.2 19.41,72.14 MX55.2
Net-(D56-A): length 4.4
  Bottom w0.25: MX56.2 47.99,72.14 D56.2
Net-(D57-A): length 4.4
  Bottom w0.25: D57.2 71.8,72.14 MX57.2
Net-(D58-A): length 4.4
  Bottom w0.25: D58.2 90.85,72.14 MX58.2
Net-(D59-A): length 4.4
  Bottom w0.25: MX59.2 109.9,72.14 D59.2
Net-(D60-A): length 4.4
  Bottom w0.25: MX60.2 128.95,72.14 D60.2
Net-(D61-A): length 4.4
  Bottom w0.25: MX61.2 148,72.14 D61.2
Net-(D62-A): length 4.4
  Bottom w0.25: MX62.2 167.05,72.14 D62.2
Net-(D63-A): length 4.4
  Bottom w0.25: D63.2 186.1,72.14 MX63.2
Net-(D64-A): length 4.4
  Bottom w0.25: D64.2 205.15,72.14 MX64.2
Net-(D65-A): length 4.4
  Bottom w0.25: D65.2 224.2,72.14 MX65.2
Net-(D66-A): length 4.4
  Bottom w0.25: MX66.2 243.25,72.14 D66.2
Net-(D67-A): length 4.4
  Bottom w0.25: D67.2 262.3,72.14 MX67.2
Net-(D68-A): length 4.4
  Bottom w0.25: D68.2 281.35,72.14 MX68.2
Net-(D69-A): length 4.4
  Bottom w0.25: MX69.2 305.16,72.14 D69.2
Net-(D70-A): length 4.4
  Bottom w0.25: MX70.2 333.74,72.14 D70.2
Net-(D71-A): length 4.4
  Bottom w0.25: D71.2 352.79,72.14 MX71.2
Net-(D72-A): length 4.4
  Bottom w0.25: D72.2 371.84,72.14 MX72.2
Net-(D73-A): length 4.4
  Bottom w0.25: D73.2 390.89,72.14 MX73.2
Net-(D74-A): length 4.4
  Bottom w0.25: MX74.2 19.41,53.09 D74.2
Net-(D75-A): length 4.4
  Bottom w0.25: D75.2 50.37,53.09 MX75.2
Net-(D76-A): length 4.4
  Bottom w0.25: D76.2 76.56,53.09 MX76.2
Net-(D77-A): length 4.4
  Bottom w0.25: MX77.2 95.61,53.09 D77.2
Net-(D78-A): length 4.4
  Bottom w0.25: D78.2 114.66,53.09 MX78.2
Net-(D79-A): length 4.4
  Bottom w0.25: MX79.2 133.71,53.09 D79.2
Net-(D80-A): length 4.4
  Bottom w0.25: D80.2 152.76,53.09 MX80.2
Net-(D81-A): length 4.4
  Bottom w0.25: D81.2 171.81,53.09 MX81.2
Net-(D82-A): length 4.4
  Bottom w0.25: MX82.2 190.86,53.09 D82.2
Net-(D83-A): length 4.4
  Bottom w0.25: D83.2 209.91,53.09 MX83.2
Net-(D84-A): length 4.4
  Bottom w0.25: D84.2 228.96,53.09 MX84.2
Net-(D85-A): length 4.4
  Bottom w0.25: MX85.2 248.01,53.09 D85.2
Net-(D86-A): length 4.4
  Bottom w0.25: MX86.2 267.06,53.09 D86.2
Net-(D87-A): length 4.4
  Bottom w0.25: MX87.2 298.02,53.09 D87.2
Net-(D88-A): length 4.4
  Bottom w0.25: D88.2 333.74,53.09 MX88.2
Net-(D89-A): length 4.4
  Bottom w0.25: D89.2 352.79,53.09 MX89.2
